# KiCad board V1.2.kicad_pcb (continued)
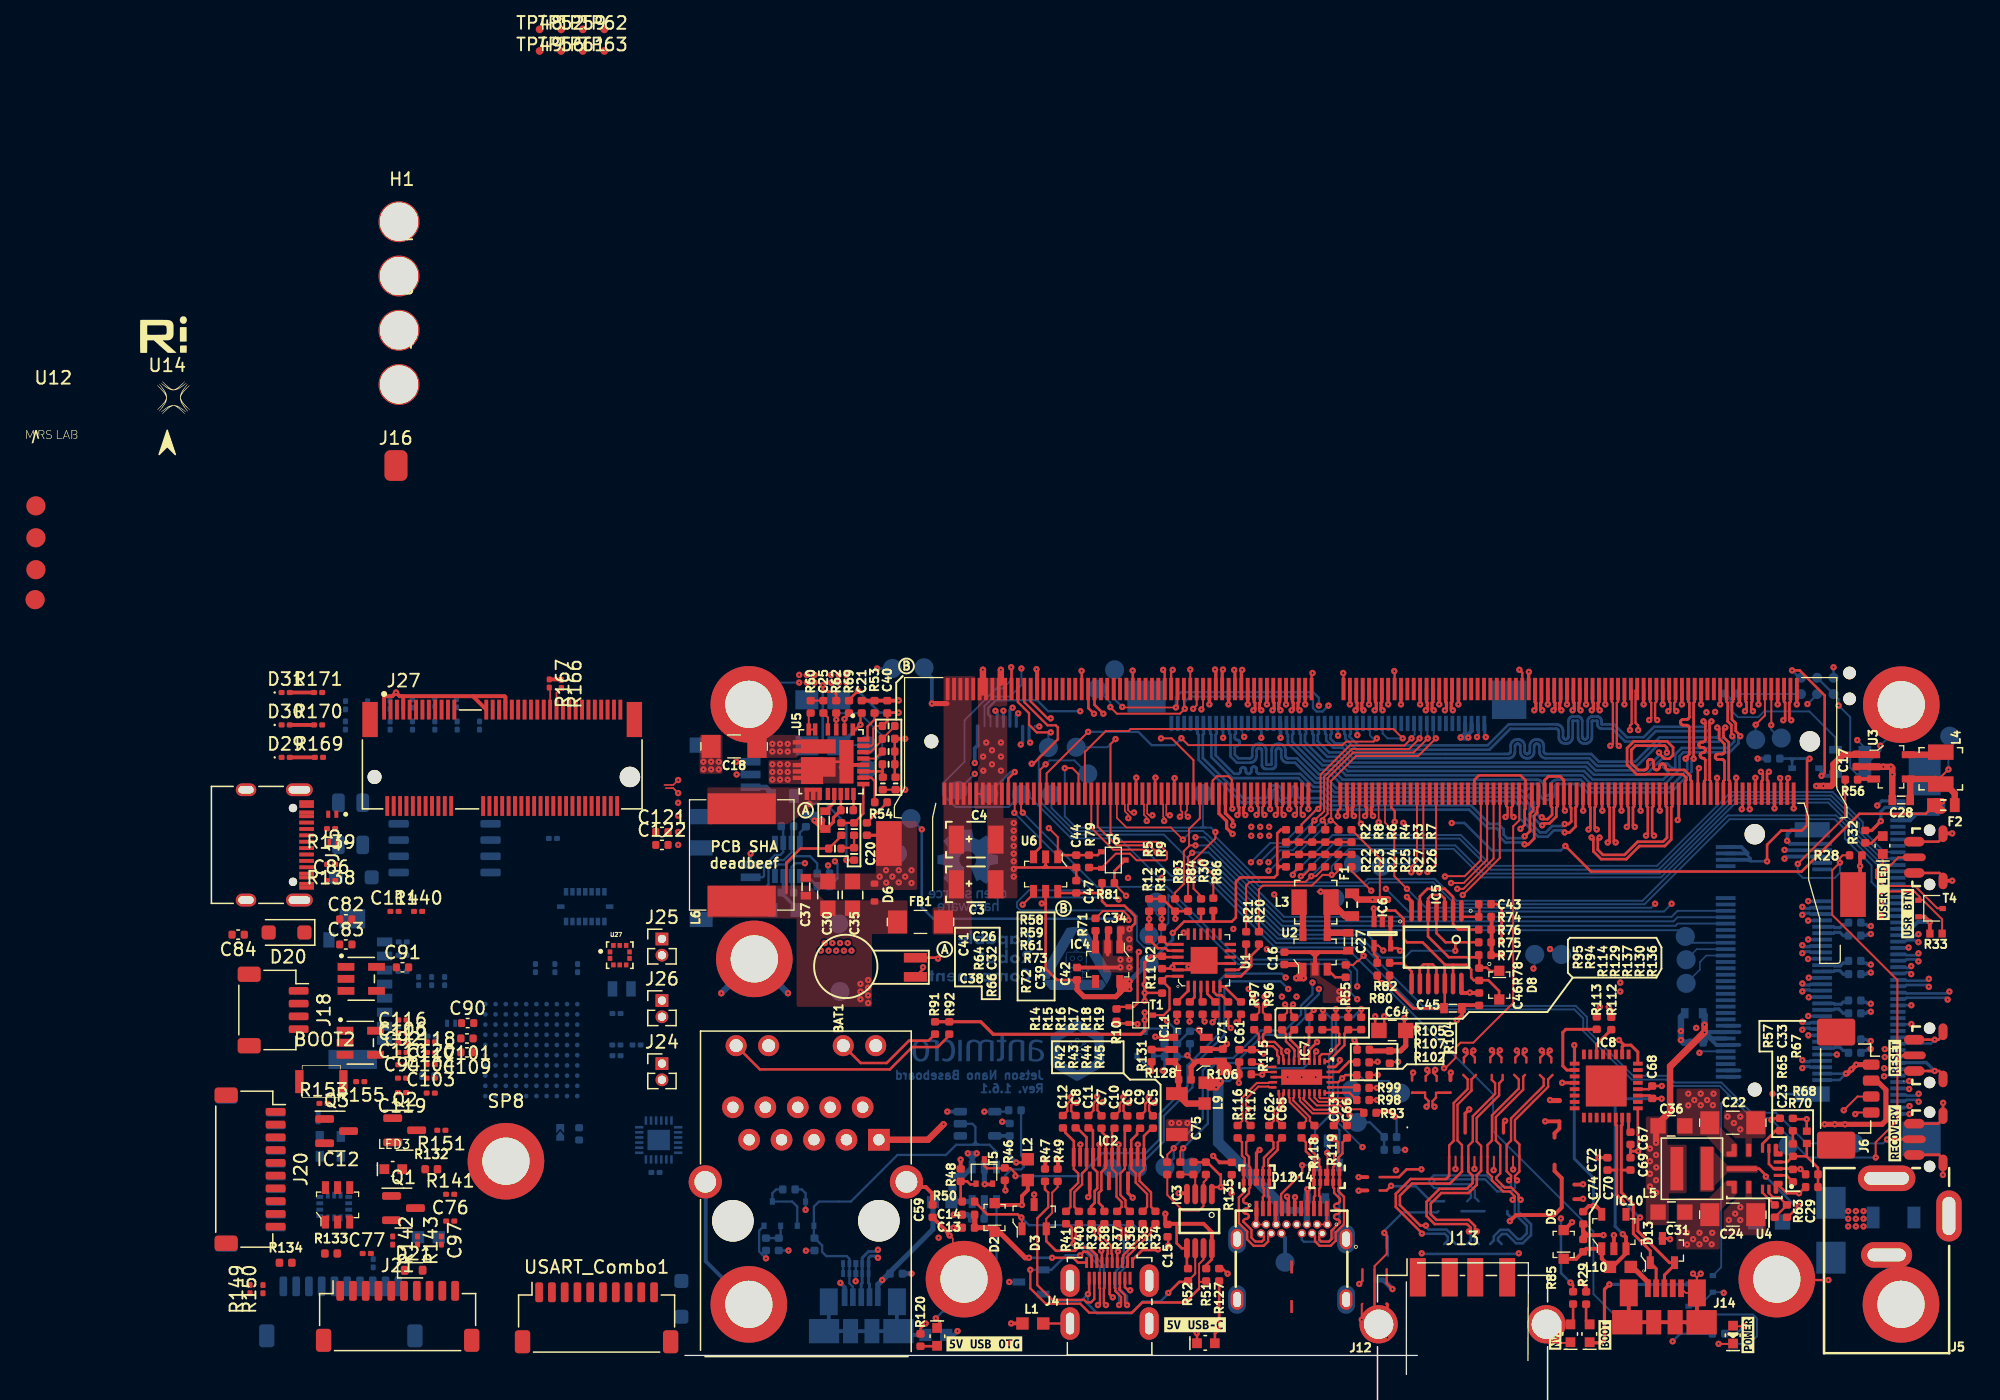
[diagram p0: board, top side]
## Routing (per net, layer and track width the routed paths; a pad name or vN(x,y) marks a point on that pad's centre or on a via; arc(x,y) is an arc through that point) (continued)
Net-(R2-Pad1): length 5.1
  Top w0.2: 52.19,41.7 47.06,41.7
Net-(R22-Pad1): length 5.1
  Top w0.2: 52.19,40.73 47.06,40.73
Net-(T1-D): length 5.4
  Top w0.18: U1.24 37.71,31.19 R11.2 37.94,30.26 37.94,28.6 37.49,28.15 T1.3
Net-(T4-D): length 8.3
  Top w0.15: 93.8,40.72 93.8,40.05 93.27,39.51 93.27,38.92 93.93,38.26 96.33,38.26 98.07,36.52 98.58,36.52
Net-(T5-G): length 2.9
  Top w0.15: R48.1 21.59,15.13
  Top w0.2: 21.59,15.13 22.1,15.13 22.33,14.89 22.77,14.89 ; R48.1 21.59,13.67 R50.2
Net-(T7-S): length 5.2
  Bottom w0.18: R103.1 7.14,14.5 6.84,14.2 T8.3 8.39,13.55 8.79,13.15 T7.2
Net-(T8-G): length 2
  Bottom w0.18: R109.1 R110.2 7.49,10.83 T8.1
Net-(TP1-CTS/TMS): length 5
  Bottom w0.15: 82.45,53.33 82.47,53.31 87.38,53.31 TP1.2
Net-(TP2-P): length 4.3
  Top w0.15: v1(85.06,50.87) 85.07,50.87 M1.9
  Bottom w0.15: 85.85,49.72 85.06,50.51 v1(85.06,50.87)
Net-(TP3-P): length 4.3
  Top w0.15: M1.11 84.57,51.62 v1(83.84,50.89)
  Bottom w0.15: TP3.1 v1(83.84,50.89)
Net-(TP33-P): length 9.7
  Top w0.15: L3.2 50.59,37.45 50.22,37.82 49.54,37.82
  Top w0.5: F1.1 51.68,35.91 L3.2 50.29,36.7 U2.4 50.44,34.6 C27.1
  Bottom w0.15: TP33.1 50.37,37.82 49.54,37.82
  vias: v1(49.79,37.82)
Net-(TP34-P): length 10.8
  Top w0.15: L4.2 98.34,46.8 v1(98.94,47.4)
  Top w0.5: C28.1 95.94,46.5 U3.4 97.94,46.65 L4.2 98.69,46.25 99.43,45.51 F2.2
  Bottom w0.15: TP34.1 98.94,49.9 v1(98.94,47.4)
Net-(U1-SC0): length 1.4
  Top w0.2: U1.2 39.9,29.55 R15.2
Net-(U1-SC1): length 1.5
  Top w0.2: R17.2 40.9,29.82 U1.4
Net-(U1-SC2): length 2
  Top w0.2: 43.44,29.18 42.23,30.39 U1.6
Net-(U1-SC3): length 2.9
  Top w0.2: U1.8 43.35,31.69 43.94,32.28 R21.2
Net-(U1-SCL): length 1.4
  Top w0.2: U1.19 37.75,33.69 R13.1
Net-(U1-SD0): length 1.6
  Top w0.2: R14.2 39.4,30.05 U1.1
Net-(U1-SD1): length 1.3
  Top w0.2: R16.2 40.4,29.32 U1.3
Net-(U1-SD2): length 1.9
  Top w0.2: U1.5 41.4,29.96 41.64,29.71 42,29.71 R18.2
Net-(U1-SD3): length 3.9
  Top w0.2: R20.2 44.94,33.4 44.34,32.8 44.34,32 43.54,31.19 U1.7
Net-(U1-SDA): length 2.6
  Top w0.2: U1.20 37.82,33.19 37.63,33.38 37.04,33.38 R12.1
Net-(U2-EN): length 1.7
  Top w0.2: R55.1 50.93,31.11 U2.3
Net-(U2-SW): length 2.7
  Top w0.5: U2.5 48.39,36.7 L3.1
Net-(U3-EN): length 1.3
  Top w0.3: 91.83,46.6 91.88,46.65 U3.3
Net-(U3-SW): length 2.6
  Top w0.5: U3.5 98.14,48.55 L4.1
Net-(U4-RBOOT): length 1.6
  Top w0.18: U4.13 84.38,14.24 R63.1
Net-(U5-VOUT): length 4.3
  Top w0.18: 13.97,46.25 13.97,43.93 C32.2 R64.2
Net-(U7-RH): length 1.5
  Bottom w0.18: U7.8 8.99,42.43 R89.2
Net-(U7-RXD): length 5.4
  Bottom w0.18: U7.4 7.04,39.7 7.29,39.95 7.94,39.95 8.59,40.6 9.79,40.6 10.36,40.03 R88.1
Net-(U7-TXD): length 1.7
  Bottom w0.18: U7.1 9.59,39.04 10.36,38.28 R87.1
Net-(USER1-A): length 1.6
  Top w0.2: 92.43,41.65 92.48,41.6 92.89,41.6 93.41,42.12 93.8,42.12
unconnected-(D10-CH4-Pad5): length 0.8
  Bottom w0.18: 12.38,8.68 D10.5
unconnected-(M1E-DP0_AUX_N-Pad90): length 40.9
  Top w0.18: v1(64.88,43.67) 64.72,43.83 64.72,44.43 64.82,44.52 M1.90 ; 58.86,22.99 58.86,23.37 58.59,23.64 58.59,23.77 58.68,23.86 v1(58.75,23.86)
  In2.Cu w0.125: v1(64.88,43.67) 64.69,43.48 64.69,42.77 64.68,42.68 64.65,42.6 64.61,42.52 64.54,42.46 64.47,42.41 64.38,42.38 64.29,42.37 63.52,42.37 63.48,42.37 63.45,42.36 63.41,42.33 63.39,42.31 63.37,42.27 63.35,42.24 63.35,42.2 63.35,42.16 63.37,42.12 63.39,42.09 63.41,42.06 63.45,42.04 63.48,42.03 63.52,42.02 64.29,42.02 64.38,42.01 64.47,41.98 64.54,41.94 64.61,41.87 64.65,41.8 64.68,41.71 64.69,41.62 64.69,41.57 64.68,41.48 64.65,41.4 64.61,41.32 64.54,41.26 64.47,41.21 64.38,41.18 64.29,41.17 63.52,41.17 63.48,41.17 63.45,41.16 63.41,41.13 63.39,41.11 63.37,41.07 63.35,41.04 63.35,41 63.35,40.96 63.37,40.92 63.39,40.89 63.41,40.86 63.45,40.84 63.48,40.83 63.52,40.82 64.29,40.82 64.38,40.81 64.47,40.78 64.54,40.74 64.61,40.67 64.65,40.6 64.68,40.51 64.69,40.42 64.69,40.37 64.68,40.28 64.65,40.2 64.61,40.12 64.54,40.06 64.47,40.01 64.38,39.98 64.29,39.97 63.52,39.97 63.48,39.97 63.45,39.96 63.41,39.93 63.39,39.91 63.37,39.87 63.35,39.84 63.35,39.8 63.35,39.76 63.37,39.72 63.39,39.69 63.41,39.66 63.45,39.64 63.48,39.63 63.52,39.62 64.29,39.62 64.38,39.61 64.47,39.58 64.54,39.54 64.61,39.47 64.65,39.4 64.68,39.31 64.69,39.22 64.69,39.17 64.68,39.08 64.65,39 64.61,38.92 64.54,38.86 64.47,38.81 64.38,38.78 64.29,38.77 63.52,38.77 63.48,38.77 63.45,38.76 63.41,38.73 63.39,38.71 63.37,38.67 63.35,38.64 63.35,38.6 63.35,38.56 63.37,38.52 63.39,38.49 63.41,38.46 63.45,38.44 63.48,38.43 63.52,38.42 64.29,38.42 64.38,38.41 64.47,38.38 64.54,38.34 64.61,38.27 64.65,38.2 64.68,38.11 64.69,38.02 64.69,37.97 64.68,37.88 64.65,37.8 64.61,37.72 64.54,37.66 64.47,37.61 64.38,37.58 64.29,37.57 63.52,37.57 63.48,37.57 63.45,37.56 63.41,37.53 63.39,37.51 63.37,37.47 63.35,37.44 63.35,37.4 63.35,37.36 63.37,37.32 63.39,37.29 63.41,37.26 63.45,37.24 63.48,37.23 63.52,37.22 64.29,37.22 64.38,37.21 64.47,37.18 64.54,37.14 64.61,37.07 64.65,37 64.68,36.91 64.69,36.82 64.69,36.77 64.68,36.68 64.65,36.6 64.61,36.52 64.54,36.46 64.47,36.41 64.38,36.38 64.29,36.37 63.52,36.37 63.48,36.37 63.45,36.36 63.41,36.33 63.39,36.31 63.37,36.27 63.35,36.24 63.35,36.2 63.35,36.16 63.37,36.12 63.39,36.09 63.41,36.06 63.45,36.04 63.48,36.03 63.52,36.02 64.29,36.02 64.38,36.01 64.47,35.98 64.54,35.94 64.61,35.87 64.65,35.8 64.68,35.71 64.69,35.62 64.69,35.57 64.68,35.48 64.65,35.4 64.61,35.32 64.54,35.26 64.47,35.21 64.38,35.18 64.29,35.17 63.52,35.17 63.48,35.17 63.45,35.16 63.41,35.13 63.39,35.11 63.37,35.07 63.35,35.04 63.35,35 63.35,34.96 63.37,34.92 63.39,34.89 63.41,34.86 63.45,34.84 63.48,34.83 63.52,34.82 64.29,34.82 64.38,34.81 64.47,34.78 64.54,34.74 64.61,34.67 64.65,34.6 64.68,34.51 64.69,34.42 64.69,30.81 58.56,24.68 58.56,24.05 v1(58.75,23.86)
unconnected-(M1E-DP0_AUX_P-Pad92): length 40.9
  Top w0.18: M1.92 64.32,44.52 64.42,44.43 64.42,43.83 v1(64.26,43.67) ; 58.01,22.99 58.01,23.37 58.28,23.64 58.28,23.77 58.19,23.86 v1(58.12,23.86)
  In2.Cu w0.125: v1(58.12,23.86) 58.31,24.05 58.31,24.78 64.44,30.91 64.44,34.4 64.44,34.44 64.43,34.47 64.41,34.51 64.38,34.53 64.34,34.56 64.31,34.57 64.27,34.57 63.5,34.57 63.41,34.58 63.33,34.61 63.25,34.66 63.19,34.72 63.14,34.8 63.11,34.88 63.1,34.97 63.1,35.02 63.11,35.11 63.14,35.2 63.19,35.27 63.25,35.34 63.33,35.38 63.41,35.41 63.5,35.42 64.27,35.42 64.31,35.43 64.34,35.44 64.38,35.46 64.41,35.49 64.43,35.52 64.44,35.56 64.44,35.6 64.44,35.64 64.43,35.67 64.41,35.71 64.38,35.73 64.34,35.76 64.31,35.77 64.27,35.77 63.5,35.77 63.41,35.78 63.33,35.81 63.25,35.86 63.19,35.92 63.14,36 63.11,36.08 63.1,36.17 63.1,36.22 63.11,36.31 63.14,36.4 63.19,36.47 63.25,36.54 63.33,36.58 63.41,36.61 63.5,36.62 64.27,36.62 64.31,36.63 64.34,36.64 64.38,36.66 64.41,36.69 64.43,36.72 64.44,36.76 64.44,36.8 64.44,36.84 64.43,36.87 64.41,36.91 64.38,36.93 64.34,36.96 64.31,36.97 64.27,36.97 63.5,36.97 63.41,36.98 63.33,37.01 63.25,37.06 63.19,37.12 63.14,37.2 63.11,37.28 63.1,37.37 63.1,37.42 63.11,37.51 63.14,37.6 63.19,37.67 63.25,37.74 63.33,37.78 63.41,37.81 63.5,37.82 64.27,37.82 64.31,37.83 64.34,37.84 64.38,37.86 64.41,37.89 64.43,37.92 64.44,37.96 64.44,38 64.44,38.04 64.43,38.07 64.41,38.11 64.38,38.13 64.34,38.16 64.31,38.17 64.27,38.17 63.5,38.17 63.41,38.18 63.33,38.21 63.25,38.26 63.19,38.32 63.14,38.4 63.11,38.48 63.1,38.57 63.1,38.62 63.11,38.71 63.14,38.8 63.19,38.87 63.25,38.94 63.33,38.98 63.41,39.01 63.5,39.02 64.27,39.02 64.31,39.03 64.34,39.04 64.38,39.06 64.41,39.09 64.43,39.12 64.44,39.16 64.44,39.2 64.44,39.24 64.43,39.27 64.41,39.31 64.38,39.33 64.34,39.36 64.31,39.37 64.27,39.37 63.5,39.37 63.41,39.38 63.33,39.41 63.25,39.46 63.19,39.52 63.14,39.6 63.11,39.68 63.1,39.77 63.1,39.82 63.11,39.91 63.14,40 63.19,40.07 63.25,40.14 63.33,40.18 63.41,40.21 63.5,40.22 64.27,40.22 64.31,40.23 64.34,40.24 64.38,40.26 64.41,40.29 64.43,40.32 64.44,40.36 64.44,40.4 64.44,40.44 64.43,40.47 64.41,40.51 64.38,40.53 64.34,40.56 64.31,40.57 64.27,40.57 63.5,40.57 63.41,40.58 63.33,40.61 63.25,40.66 63.19,40.72 63.14,40.8 63.11,40.88 63.1,40.97 63.1,41.02 63.11,41.11 63.14,41.2 63.19,41.27 63.25,41.34 63.33,41.38 63.41,41.41 63.5,41.42 64.27,41.42 64.31,41.43 64.34,41.44 64.38,41.46 64.41,41.49 64.43,41.52 64.44,41.56 64.44,41.6 64.44,41.64 64.43,41.67 64.41,41.71 64.38,41.73 64.34,41.76 64.31,41.77 64.27,41.77 63.5,41.77 63.41,41.78 63.33,41.81 63.25,41.86 63.19,41.92 63.14,42 63.11,42.08 63.1,42.17 63.1,42.22 63.11,42.31 63.14,42.4 63.19,42.47 63.25,42.54 63.33,42.58 63.41,42.61 63.5,42.62 64.27,42.62 64.31,42.63 64.34,42.64 64.38,42.66 64.41,42.69 64.43,42.72 64.44,42.76 64.44,42.8 64.44,43.48 v1(64.26,43.67)
unconnected-(M1E-DP0_HPD-Pad88): length 48.2
  Top w0.15: v1(59.44,24) 59.54,24 60.34,24.8 60.34,25.6 60.74,25.99 61.74,25.99 64.85,29.11 64.85,42.93 65.33,43.41 65.33,45.48 M1.88 ; v1(53,4.29) 53,5.49 53.05,5.54
  In2.Cu w0.15: v1(53,4.29) 54.04,5.33 54.04,17.4 56.59,19.95 56.59,20.79 59.44,23.64 v1(59.44,24)
unconnected-(M1E-DP0_TXD0_N-Pad39): length 40.9
  Top w0.18: 61.86,24.43 61.86,24.82 61.58,25.1 61.58,25.21 v1(61.74,25.37) ; M1.39 77.57,52.7 77.47,52.61 77.47,52.12 v1(77.63,51.96)
  In2.Cu w0.125: v1(77.63,51.96) 77.63,51.96 77.19,51.53 76.8,51.53 76.58,51.75 72.6,51.75 72.12,51.27 69.44,51.27 66.51,48.34 66.51,40.71 65.67,39.87 65.67,29.99 61.55,25.87 61.55,25.56 v1(61.74,25.37)
unconnected-(M1E-DP0_TXD0_P-Pad41): length 40.9
  Top w0.18: 60.99,24.43 60.99,24.82 61.27,25.1 61.27,25.21 v1(61.11,25.37) ; v1(77.01,51.96) 77.17,52.12 77.17,52.61 77.07,52.7 77.07,53.69
  In2.Cu w0.125: v1(61.11,25.37) 61.3,25.56 61.3,25.97 65.42,30.09 65.42,39.97 66.26,40.82 66.26,48.47 69.32,51.52 72.01,51.52 72.49,52 75.45,52 75.49,52 75.53,52.02 75.57,52.04 75.6,52.07 75.63,52.11 75.64,52.15 75.65,52.2 75.65,52.2 75.65,52.25 75.66,52.29 75.69,52.33 75.72,52.36 75.76,52.38 75.8,52.4 75.85,52.4 75.89,52.4 75.93,52.38 75.97,52.36 76,52.33 76.03,52.29 76.04,52.25 76.05,52.2 76.05,52.2 76.05,52.15 76.06,52.11 76.09,52.07 76.12,52.04 76.16,52.02 76.2,52 76.25,52 76.97,52 v1(77.01,51.96)
unconnected-(M1E-DP0_TXD1_N-Pad45): length 40.9
  Top w0.18: v1(63.81,25.39) 63.65,25.23 63.65,25.12 63.93,24.84 63.93,24.45 ; 76.07,53.69 76.07,52.7 75.97,52.61 75.97,51.42 v1(76.13,51.26)
  In2.Cu w0.125: v1(76.13,51.26) 75.69,50.82 75.32,50.82 75.14,51.01 72.96,51.01 72.51,50.57 69.6,50.57 67.82,48.78 67.82,47.25 67.81,47.17 67.78,47.09 67.74,47.03 67.68,46.97 67.62,46.93 67.54,46.9 67.47,46.89 67.32,46.89 67.29,46.89 67.26,46.88 67.24,46.87 67.22,46.85 67.21,46.82 67.2,46.8 67.19,46.77 67.19,46.72 67.2,46.69 67.21,46.66 67.22,46.64 67.24,46.62 67.26,46.61 67.29,46.6 67.32,46.59 67.47,46.59 67.54,46.59 67.62,46.56 67.68,46.52 67.74,46.46 67.78,46.4 67.81,46.32 67.82,46.24 67.82,46.15 67.81,46.07 67.78,45.99 67.74,45.93 67.68,45.87 67.62,45.83 67.54,45.8 67.47,45.79 67.32,45.79 67.29,45.79 67.26,45.78 67.24,45.77 67.22,45.75 67.21,45.72 67.2,45.7 67.19,45.67 67.19,45.62 67.2,45.59 67.21,45.56 67.22,45.54 67.24,45.52 67.26,45.51 67.29,45.5 67.32,45.49 67.47,45.49 67.54,45.49 67.62,45.46 67.68,45.42 67.74,45.36 67.78,45.3 67.81,45.22 67.82,45.14 67.82,45.05 67.81,44.97 67.78,44.89 67.74,44.83 67.68,44.77 67.62,44.73 67.54,44.7 67.47,44.69 67.32,44.69 67.29,44.69 67.26,44.68 67.24,44.67 67.22,44.65 67.21,44.62 67.2,44.6 67.19,44.57 67.19,44.52 67.2,44.49 67.21,44.46 67.22,44.44 67.24,44.42 67.26,44.41 67.29,44.4 67.32,44.39 67.47,44.39 67.54,44.39 67.62,44.36 67.68,44.32 67.74,44.26 67.78,44.2 67.81,44.12 67.82,44.04 67.82,40.69 67.17,40.04 67.17,29.64 63.62,26.1 63.62,25.58 v1(63.81,25.39)
unconnected-(M1E-DP0_TXD1_P-Pad47): length 40.9
  Top w0.18: 63.07,24.45 63.07,24.84 63.35,25.12 63.35,25.23 v1(63.19,25.39) ; 75.57,53.69 75.57,52.7 75.67,52.61 75.67,51.42 v1(75.51,51.26)
  In2.Cu w0.125: v1(63.19,25.39) 63.37,25.58 63.37,26.2 66.92,29.75 66.92,40.14 67.57,40.79 67.57,44.02 67.56,44.05 67.55,44.07 67.54,44.1 67.52,44.12 67.5,44.13 67.47,44.14 67.44,44.14 67.3,44.14 67.22,44.15 67.14,44.18 67.08,44.22 67.02,44.28 66.98,44.34 66.95,44.42 66.94,44.5 66.94,44.59 66.95,44.67 66.98,44.75 67.02,44.81 67.08,44.87 67.14,44.91 67.22,44.94 67.3,44.94 67.44,44.94 67.47,44.95 67.5,44.96 67.52,44.97 67.54,44.99 67.55,45.01 67.56,45.04 67.57,45.07 67.57,45.12 67.56,45.15 67.55,45.17 67.54,45.2 67.52,45.22 67.5,45.23 67.47,45.24 67.44,45.24 67.3,45.24 67.22,45.25 67.14,45.28 67.08,45.32 67.02,45.38 66.98,45.44 66.95,45.52 66.94,45.6 66.94,45.69 66.95,45.77 66.98,45.85 67.02,45.91 67.08,45.97 67.14,46.01 67.22,46.04 67.3,46.04 67.44,46.04 67.47,46.05 67.5,46.06 67.52,46.07 67.54,46.09 67.55,46.11 67.56,46.14 67.57,46.17 67.57,46.22 67.56,46.25 67.55,46.27 67.54,46.3 67.52,46.32 67.5,46.33 67.47,46.34 67.44,46.34 67.3,46.34 67.22,46.35 67.14,46.38 67.08,46.42 67.02,46.48 66.98,46.54 66.95,46.62 66.94,46.7 66.94,46.79 66.95,46.87 66.98,46.95 67.02,47.01 67.08,47.07 67.14,47.11 67.22,47.14 67.3,47.14 67.44,47.14 67.47,47.15 67.5,47.16 67.52,47.17 67.54,47.19 67.55,47.21 67.56,47.24 67.57,47.27 67.57,48.89 69.5,50.82 72.41,50.82 72.85,51.26 73.48,51.26 73.5,51.26 73.51,51.27 73.53,51.28 73.54,51.29 73.55,51.3 73.55,51.32 73.56,51.35 73.56,51.36 73.57,51.38 73.58,51.39 73.6,51.4 73.61,51.4 73.63,51.4 73.73,51.4 73.75,51.4 73.76,51.4 73.78,51.39 73.79,51.38 73.8,51.36 73.8,51.35 73.81,51.32 73.81,51.3 73.82,51.29 73.83,51.28 73.85,51.27 73.86,51.26 73.88,51.26 73.98,51.26 74,51.26 74.01,51.27 74.03,51.28 74.04,51.29 74.05,51.3 74.05,51.32 74.06,51.35 74.06,51.36 74.07,51.38 74.08,51.39 74.1,51.4 74.11,51.4 74.13,51.4 74.23,51.4 74.25,51.4 74.26,51.4 74.28,51.39 74.29,51.38 74.3,51.36 74.3,51.35 74.31,51.32 74.31,51.3 74.32,51.29 74.33,51.28 74.35,51.27 74.36,51.26 74.38,51.26 74.48,51.26 74.5,51.26 74.51,51.27 74.53,51.28 74.54,51.29 74.55,51.3 74.55,51.32 74.56,51.35 74.56,51.36 74.57,51.38 74.58,51.39 74.6,51.4 74.61,51.4 74.63,51.4 74.73,51.4 74.75,51.4 74.76,51.4 74.78,51.39 74.79,51.38 74.8,51.36 74.8,51.35 74.81,51.32 74.81,51.3 74.82,51.29 74.83,51.28 74.85,51.27 74.86,51.26 74.88,51.26 v1(75.51,51.26)
unconnected-(M1E-DP0_TXD2_N-Pad51): length 40.9
  Top w0.18: v1(65.77,25.37) 65.61,25.21 65.61,25.1 65.88,24.82 65.88,24.43 ; v1(74.64,50.48) 74.64,50.83 74.44,51.03 74.44,53.56 74.57,53.69
  In2.Cu w0.125: v1(65.77,25.37) 65.58,25.56 65.58,26.26 68.44,29.12 68.44,31.12 68.43,31.21 68.4,31.29 68.35,31.37 68.29,31.43 68.22,31.48 68.13,31.5 68.04,31.51 67.89,31.51 67.86,31.52 67.82,31.53 67.79,31.55 67.76,31.58 67.74,31.61 67.73,31.65 67.72,31.68 67.72,31.69 67.73,31.73 67.74,31.77 67.76,31.8 67.79,31.83 67.82,31.85 67.86,31.86 67.89,31.86 68.04,31.86 68.13,31.87 68.22,31.9 68.29,31.95 68.35,32.01 68.4,32.09 68.43,32.17 68.44,32.26 68.44,33.95 68.43,34.03 68.4,34.11 68.36,34.18 68.3,34.24 68.23,34.29 68.15,34.31 68.06,34.32 67.91,34.32 67.88,34.33 67.85,34.34 67.82,34.36 67.8,34.38 67.78,34.41 67.77,34.44 67.76,34.47 67.76,34.52 67.77,34.56 67.78,34.59 67.8,34.62 67.82,34.64 67.85,34.66 67.88,34.67 67.91,34.67 68.06,34.67 68.15,34.68 68.23,34.71 68.3,34.76 68.36,34.82 68.4,34.89 68.43,34.97 68.44,35.05 68.44,35.15 68.43,35.23 68.4,35.31 68.36,35.38 68.3,35.44 68.23,35.49 68.15,35.51 68.06,35.52 67.91,35.52 67.88,35.53 67.85,35.54 67.82,35.56 67.8,35.58 67.78,35.61 67.77,35.64 67.76,35.67 67.76,35.72 67.77,35.76 67.78,35.79 67.8,35.82 67.82,35.84 67.85,35.86 67.88,35.87 67.91,35.87 68.06,35.87 68.15,35.88 68.23,35.91 68.3,35.96 68.36,36.02 68.4,36.09 68.43,36.17 68.44,36.25 68.44,36.35 68.43,36.43 68.4,36.51 68.36,36.58 68.3,36.64 68.23,36.69 68.15,36.71 68.06,36.72 67.91,36.72 67.88,36.73 67.85,36.74 67.82,36.76 67.8,36.78 67.78,36.81 67.77,36.84 67.76,36.87 67.76,36.92 67.77,36.96 67.78,36.99 67.8,37.02 67.82,37.04 67.85,37.06 67.88,37.07 67.91,37.07 68.06,37.07 68.15,37.08 68.23,37.11 68.3,37.16 68.36,37.22 68.4,37.29 68.43,37.37 68.44,37.45 68.44,37.55 68.43,37.63 68.4,37.71 68.36,37.78 68.3,37.84 68.23,37.89 68.15,37.91 68.06,37.92 67.91,37.92 67.88,37.93 67.85,37.94 67.82,37.96 67.8,37.98 67.78,38.01 67.77,38.04 67.76,38.07 67.76,38.12 67.77,38.16 67.78,38.19 67.8,38.22 67.82,38.24 67.85,38.26 67.88,38.27 67.91,38.27 68.06,38.27 68.15,38.28 68.23,38.31 68.3,38.36 68.36,38.42 68.4,38.49 68.43,38.57 68.44,38.65 68.44,38.75 68.43,38.83 68.4,38.91 68.36,38.98 68.3,39.04 68.23,39.09 68.15,39.11 68.06,39.12 67.91,39.12 67.88,39.13 67.85,39.14 67.82,39.16 67.8,39.18 67.78,39.21 67.77,39.24 67.76,39.27 67.76,39.32 67.77,39.36 67.78,39.39 67.8,39.42 67.82,39.44 67.85,39.46 67.88,39.47 67.91,39.47 68.06,39.47 68.15,39.48 68.23,39.51 68.3,39.56 68.36,39.62 68.4,39.69 68.43,39.77 68.44,39.85 68.44,47.78 70.65,49.99 74.15,49.99 v1(74.64,50.48)
unconnected-(M1E-DP0_TXD2_P-Pad53): length 40.9
  Top w0.18: v1(65.14,25.37) 65.3,25.21 65.3,25.1 65.02,24.82 65.02,24.43 ; 74.07,53.69 74.13,53.63 74.13,50.96 74.01,50.83 v1(74.01,50.48)
  In2.Cu w0.125: v1(74.01,50.48) 74,50.47 73.7,50.47 73.47,50.24 73.28,50.24 73.25,50.24 73.23,50.25 73.2,50.26 73.18,50.28 73.17,50.31 73.16,50.33 73.16,50.36 73.16,50.41 73.15,50.44 73.14,50.47 73.13,50.49 73.11,50.51 73.09,50.52 73.06,50.53 73.03,50.54 73,50.53 72.98,50.52 72.95,50.51 72.93,50.49 72.92,50.47 72.91,50.44 72.91,50.41 72.91,50.36 72.9,50.33 72.89,50.31 72.88,50.28 72.86,50.26 72.84,50.25 72.81,50.24 72.78,50.24 70.54,50.24 68.19,47.88 68.19,39.87 68.19,39.84 68.17,39.81 68.16,39.78 68.13,39.76 68.1,39.74 68.07,39.73 68.04,39.72 67.89,39.72 67.81,39.71 67.73,39.69 67.66,39.64 67.6,39.58 67.55,39.51 67.52,39.43 67.51,39.35 67.51,39.25 67.52,39.17 67.55,39.09 67.6,39.02 67.66,38.96 67.73,38.91 67.81,38.88 67.89,38.87 68.04,38.87 68.07,38.87 68.1,38.86 68.13,38.84 68.16,38.82 68.17,38.79 68.19,38.76 68.19,38.72 68.19,38.67 68.19,38.64 68.17,38.61 68.16,38.58 68.13,38.56 68.1,38.54 68.07,38.53 68.04,38.52 67.89,38.52 67.81,38.51 67.73,38.49 67.66,38.44 67.6,38.38 67.55,38.31 67.52,38.23 67.51,38.15 67.51,38.05 67.52,37.97 67.55,37.89 67.6,37.82 67.66,37.76 67.73,37.71 67.81,37.68 67.89,37.67 68.04,37.67 68.07,37.67 68.1,37.66 68.13,37.64 68.16,37.62 68.17,37.59 68.19,37.56 68.19,37.52 68.19,37.47 68.19,37.44 68.17,37.41 68.16,37.38 68.13,37.36 68.1,37.34 68.07,37.33 68.04,37.32 67.89,37.32 67.81,37.31 67.73,37.29 67.66,37.24 67.6,37.18 67.55,37.11 67.52,37.03 67.51,36.95 67.51,36.85 67.52,36.77 67.55,36.69 67.6,36.62 67.66,36.56 67.73,36.51 67.81,36.48 67.89,36.47 68.04,36.47 68.07,36.47 68.1,36.46 68.13,36.44 68.16,36.42 68.17,36.39 68.19,36.36 68.19,36.32 68.19,36.27 68.19,36.24 68.17,36.21 68.16,36.18 68.13,36.16 68.1,36.14 68.07,36.13 68.04,36.12 67.89,36.12 67.81,36.11 67.73,36.09 67.66,36.04 67.6,35.98 67.55,35.91 67.52,35.83 67.51,35.75 67.51,35.65 67.52,35.57 67.55,35.49 67.6,35.42 67.66,35.36 67.73,35.31 67.81,35.28 67.89,35.27 68.04,35.27 68.07,35.27 68.1,35.26 68.13,35.24 68.16,35.22 68.17,35.19 68.19,35.16 68.19,35.12 68.19,35.07 68.19,35.04 68.17,35.01 68.16,34.98 68.13,34.96 68.1,34.94 68.07,34.93 68.04,34.92 67.89,34.92 67.81,34.91 67.73,34.89 67.66,34.84 67.6,34.78 67.55,34.71 67.52,34.63 67.51,34.55 67.51,34.45 67.52,34.37 67.55,34.29 67.6,34.22 67.66,34.16 67.73,34.11 67.81,34.08 67.89,34.07 68.04,34.07 68.07,34.07 68.1,34.06 68.13,34.04 68.16,34.02 68.17,33.99 68.19,33.96 68.19,33.92 68.19,32.28 68.19,32.25 68.17,32.21 68.15,32.18 68.13,32.15 68.09,32.13 68.06,32.12 68.02,32.11 67.87,32.11 67.78,32.1 67.7,32.08 67.62,32.03 67.56,31.97 67.51,31.89 67.48,31.81 67.47,31.72 67.47,31.66 67.48,31.57 67.51,31.49 67.56,31.41 67.62,31.35 67.7,31.3 67.78,31.27 67.87,31.26 68.02,31.26 68.06,31.26 68.09,31.25 68.13,31.23 68.15,31.2 68.17,31.17 68.19,31.13 68.19,31.09 68.19,29.22 65.33,26.36 65.33,25.56 v1(65.14,25.37)
unconnected-(M1E-DP0_TXD3_N-Pad57): length 40.9
  Top w0.18: M1.57 73.07,52.7 72.97,52.61 72.97,49.39 v1(73.13,49.23) ; v1(67.72,25.37) 67.56,25.21 67.56,25.1 67.84,24.82 67.84,24.43
  In2.Cu w0.125: v1(73.13,49.23) 73.12,49.23 72.69,48.8 72.32,48.8 72.32,48.8 72.28,48.8 72.1,48.98 71.35,48.98 69.79,47.42 69.79,38.78 69.8,38.74 69.81,38.7 69.83,38.67 69.86,38.64 69.89,38.62 69.93,38.61 69.97,38.6 70.3,38.6 70.39,38.59 70.47,38.56 70.55,38.51 70.61,38.45 70.66,38.37 70.69,38.29 70.7,38.2 70.7,38.15 70.69,38.06 70.66,37.98 70.61,37.9 70.55,37.84 70.47,37.79 70.39,37.76 70.3,37.75 69.97,37.75 69.93,37.75 69.89,37.73 69.86,37.71 69.83,37.69 69.81,37.65 69.8,37.62 69.79,37.58 69.8,37.54 69.81,37.5 69.83,37.47 69.86,37.44 69.89,37.42 69.93,37.41 69.97,37.4 70.3,37.4 70.39,37.39 70.47,37.36 70.55,37.31 70.61,37.25 70.66,37.17 70.69,37.09 70.7,37 70.7,36.95 70.69,36.86 70.66,36.78 70.61,36.7 70.55,36.64 70.47,36.59 70.39,36.56 70.3,36.55 69.97,36.55 69.93,36.55 69.89,36.53 69.86,36.51 69.83,36.49 69.81,36.45 69.8,36.42 69.79,36.38 69.8,36.34 69.81,36.3 69.83,36.27 69.86,36.24 69.89,36.22 69.93,36.21 69.97,36.2 70.3,36.2 70.39,36.19 70.47,36.16 70.55,36.11 70.61,36.05 70.66,35.97 70.69,35.89 70.7,35.8 70.7,35.75 70.69,35.66 70.66,35.58 70.61,35.5 70.55,35.44 70.47,35.39 70.39,35.36 70.3,35.35 69.97,35.35 69.93,35.35 69.89,35.33 69.86,35.31 69.83,35.29 69.81,35.25 69.8,35.22 69.79,35.18 69.8,35.14 69.81,35.1 69.83,35.07 69.86,35.04 69.89,35.02 69.93,35.01 69.97,35 70.3,35 70.39,34.99 70.47,34.96 70.55,34.91 70.61,34.85 70.66,34.77 70.69,34.69 70.7,34.6 70.7,34.55 70.69,34.46 70.66,34.38 70.61,34.3 70.55,34.24 70.47,34.19 70.39,34.16 70.3,34.15 69.97,34.15 69.93,34.15 69.89,34.13 69.86,34.11 69.83,34.09 69.81,34.05 69.8,34.02 69.79,33.98 69.8,33.94 69.81,33.9 69.83,33.87 69.86,33.84 69.89,33.82 69.93,33.81 69.97,33.8 70.3,33.8 70.39,33.79 70.47,33.76 70.55,33.71 70.61,33.65 70.66,33.57 70.69,33.49 70.7,33.4 70.7,33.35 70.69,33.26 70.66,33.18 70.61,33.1 70.55,33.04 70.47,32.99 70.39,32.96 70.3,32.95 69.97,32.95 69.93,32.95 69.89,32.93 69.86,32.91 69.83,32.89 69.81,32.85 69.8,32.82 69.79,32.78 69.8,32.74 69.81,32.7 69.83,32.67 69.86,32.64 69.89,32.62 69.93,32.61 69.97,32.6 70.3,32.6 70.39,32.59 70.47,32.56 70.55,32.51 70.61,32.45 70.66,32.37 70.69,32.29 70.7,32.2 70.7,32.15 70.69,32.06 70.66,31.98 70.61,31.9 70.55,31.84 70.47,31.79 70.39,31.76 70.3,31.75 69.97,31.75 69.93,31.75 69.89,31.73 69.86,31.71 69.83,31.69 69.81,31.65 69.8,31.62 69.79,31.58 69.79,28.77 67.53,26.51 67.53,25.56 v1(67.72,25.37)
unconnected-(M1E-DP0_TXD3_P-Pad59): length 40.9
  Top w0.18: v1(72.46,49.24) 72.5,49.24 72.51,49.23 72.67,49.39 72.67,52.61 72.57,52.7 72.57,53.69 ; v1(67.09,25.37) 67.25,25.21 67.25,25.1 66.97,24.82 66.97,24.43
  In2.Cu w0.125: v1(72.46,49.24) 72.5,49.24 72.51,49.23 71.9,49.23 71.87,49.24 71.84,49.25 71.81,49.27 71.79,49.29 71.77,49.32 71.76,49.35 71.75,49.38 71.75,49.4 71.75,49.43 71.74,49.46 71.72,49.49 71.7,49.52 71.67,49.53 71.64,49.55 71.6,49.55 71.57,49.55 71.54,49.53 71.51,49.52 71.49,49.49 71.47,49.46 71.46,49.43 71.45,49.4 71.45,49.38 71.45,49.35 71.44,49.32 71.42,49.29 71.4,49.27 71.37,49.25 71.34,49.24 71.3,49.23 71.24,49.23 69.54,47.54 69.54,38.75 69.55,38.66 69.58,38.58 69.63,38.5 69.69,38.44 69.77,38.39 69.85,38.36 69.94,38.35 70.27,38.35 70.31,38.35 70.35,38.33 70.38,38.31 70.41,38.29 70.43,38.25 70.44,38.22 70.45,38.18 70.44,38.14 70.43,38.1 70.41,38.07 70.38,38.04 70.35,38.02 70.31,38.01 70.27,38 69.94,38 69.85,37.99 69.77,37.96 69.69,37.91 69.63,37.85 69.58,37.77 69.55,37.69 69.54,37.6 69.54,37.55 69.55,37.46 69.58,37.38 69.63,37.3 69.69,37.24 69.77,37.19 69.85,37.16 69.94,37.15 70.27,37.15 70.31,37.15 70.35,37.13 70.38,37.11 70.41,37.09 70.43,37.05 70.44,37.02 70.45,36.98 70.44,36.94 70.43,36.9 70.41,36.87 70.38,36.84 70.35,36.82 70.31,36.81 70.27,36.8 69.94,36.8 69.85,36.79 69.77,36.76 69.69,36.71 69.63,36.65 69.58,36.57 69.55,36.49 69.54,36.4 69.54,36.35 69.55,36.26 69.58,36.18 69.63,36.1 69.69,36.04 69.77,35.99 69.85,35.96 69.94,35.95 70.27,35.95 70.31,35.95 70.35,35.93 70.38,35.91 70.41,35.89 70.43,35.85 70.44,35.82 70.45,35.78 70.44,35.74 70.43,35.7 70.41,35.67 70.38,35.64 70.35,35.62 70.31,35.61 70.27,35.6 69.94,35.6 69.85,35.59 69.77,35.56 69.69,35.51 69.63,35.45 69.58,35.37 69.55,35.29 69.54,35.2 69.54,35.15 69.55,35.06 69.58,34.98 69.63,34.9 69.69,34.84 69.77,34.79 69.85,34.76 69.94,34.75 70.27,34.75 70.31,34.75 70.35,34.73 70.38,34.71 70.41,34.69 70.43,34.65 70.44,34.62 70.45,34.58 70.44,34.54 70.43,34.5 70.41,34.47 70.38,34.44 70.35,34.42 70.31,34.41 70.27,34.4 69.94,34.4 69.85,34.39 69.77,34.36 69.69,34.31 69.63,34.25 69.58,34.17 69.55,34.09 69.54,34 69.54,33.95 69.55,33.86 69.58,33.78 69.63,33.7 69.69,33.64 69.77,33.59 69.85,33.56 69.94,33.55 70.27,33.55 70.31,33.55 70.35,33.53 70.38,33.51 70.41,33.49 70.43,33.45 70.44,33.42 70.45,33.38 70.44,33.34 70.43,33.3 70.41,33.27 70.38,33.24 70.35,33.22 70.31,33.21 70.27,33.2 69.94,33.2 69.85,33.19 69.77,33.16 69.69,33.11 69.63,33.05 69.58,32.97 69.55,32.89 69.54,32.8 69.54,32.75 69.55,32.66 69.58,32.58 69.63,32.5 69.69,32.44 69.77,32.39 69.85,32.36 69.94,32.35 70.27,32.35 70.31,32.35 70.35,32.33 70.38,32.31 70.41,32.29 70.43,32.25 70.44,32.22 70.45,32.18 70.44,32.14 70.43,32.1 70.41,32.07 70.38,32.04 70.35,32.02 70.31,32.01 70.27,32 69.94,32 69.85,31.99 69.77,31.96 69.69,31.91 69.63,31.85 69.58,31.77 69.55,31.69 69.54,31.6 69.54,28.87 67.28,26.61 67.28,25.56 v1(67.09,25.37)
